# Altium PCB TC264MCU_V4.PcbDoc (continued)
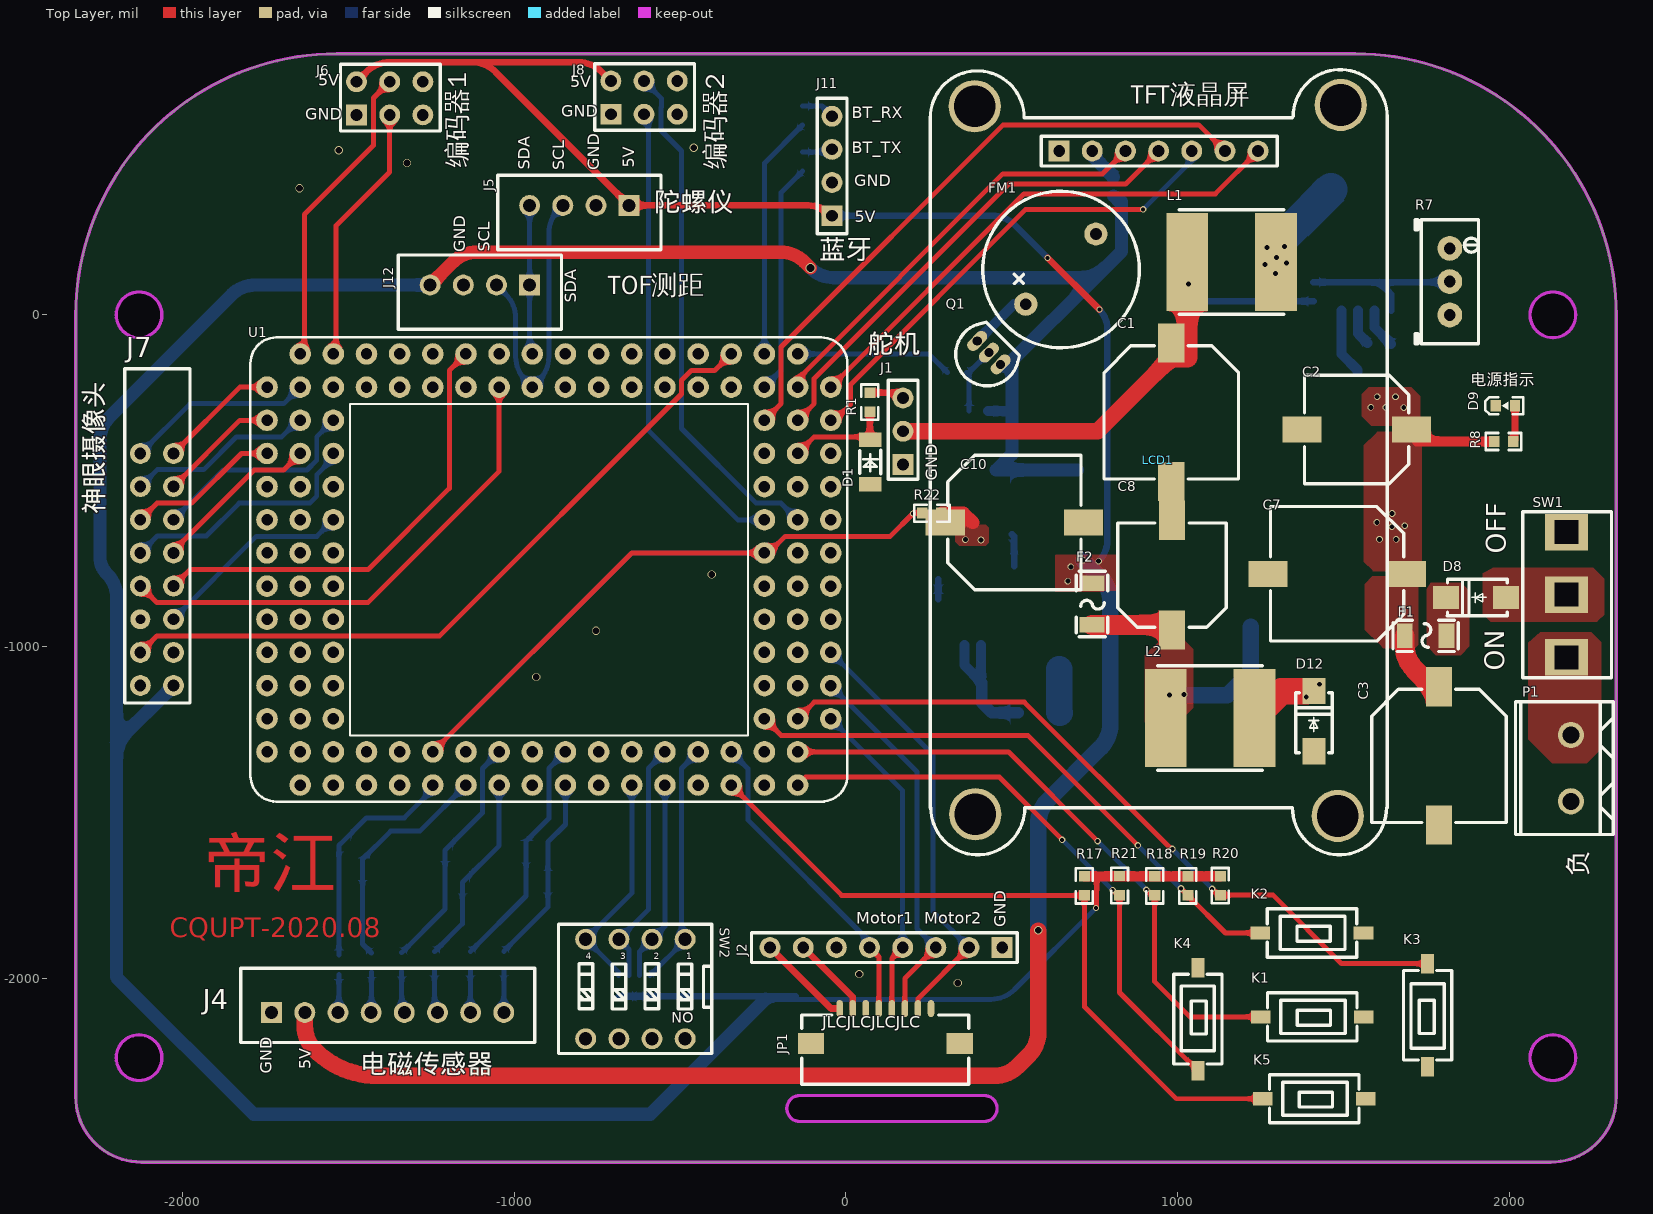
[diagram p0: Top Layer view]
## Footprints (in the part's own frame and the unit in brackets; to place one, negate y for a bottom-side part, rotate by r counter-clockwise, add the part's x,y. Pads: shape width x height; smd on the part's side, far side on the other; paste and mask are expansions set on the pad) (continued)
  round 1.65 hole 0.88 mask+0.102: 29(40.64,5.08) 32(40.64,7.62) 35(40.64,10.16) 38(40.64,12.7) 41(40.64,15.24) 44(40.64,17.78) 47(40.64,20.32) 50(40.64,22.86) 53(40.64,25.4) 56(40.64,27.94) 59(40.64,30.48) 92(-2.54,30.48) 95(-2.54,27.94) 98(-2.54,25.4) 101(-2.54,22.86) 104(-2.54,20.32) 107(-2.54,17.78) 110(-2.54,15.24) 113(-2.54,12.7) 116(-2.54,10.16) 119(-2.54,7.62) 122(-2.54,5.08) 125(-2.54,2.54)
  silkscreen extent -3.81,-1.27 41.91,34.29
RES-ARRAY-SMD_0603-8P-L3.2-W1.6-BL [mm]
  rect 0.65x0.8 smd: 1(-1.2,-0.8) 4(1.2,-0.8) 5(1.2,0.8) 8(-1.2,0.8)
  rect 0.5x0.8 smd: 2(-0.4,-0.8) 3(0.4,-0.8) 6(0.4,0.8) 7(-0.4,0.8)
  silkscreen extent -1.87,-1.45 1.87,1.47
RES_0603#1 [mm]
  rect 0.8x0.85 smd: 1(-0.73,0) 2(0.73,0)
  silkscreen extent -1.35,-0.65 1.35,0.65, body extent -0.8,-0.4 0.8,0.4, height 0.38
RES_0603#2 [mm]
  rect 0.8x0.85 smd far side: 1(-0.73,0) 2(0.73,0)
  body extent -0.8,-0.4 0.8,0.4, height 0.38
RES_POT-3296W [mm] "RES-ADJ-TH_3P-L9.5-W4.9-P2.50-L_3296W"
  round 1.9 hole 0.9: 1(-2.55,0) 2(-0.01,0) 3(2.55,0)
  silkscreen extent -4.75,-2.64 4.75,2.2, body extent -4.75,-2.59 4.75,2.41, height 11.5
SOIC-8_150MIL [mm]
  oval 2.2x0.7 smd: 1(-3.023,1.905) 2(-3.023,0.635) 3(-3.023,-0.635) 4(-3.023,-1.905) 5(3.023,-1.905) 6(3.023,-0.635) 7(3.023,0.635) 8(3.023,1.905)
  silkscreen extent -2.37,-2.41 1.55,2.83, body extent -3.03,-2.56 3.03,2.56, height 1.95
SOT-223_3 [mm]
  rect 2x1 smd: 1(3.1,-2.3) 2(3.1,0) 3(3.1,2.3)
  rect 2.2x3.5 smd: 4(-3.1,0)
  silkscreen extent -1.5,-3 1.5,3, body extent -3.5,-3.25 3.5,3.25, height 1.64
SW-TH_K3-1260D-K1 [mm]
  rect 3.3x2.8 hole 1.8 square: 1(0,4.8) 2(0,0) 3(0,-4.8)
  silkscreen extent -3.35,-6.35 3.44,6.35
SW_SMD_6.1*3.7 [mm] "SW-SMD_L6.1-W3.7-LS7.9"
  rect 1.5x1 smd: A(-3.95,0) B(3.95,0)
  silkscreen extent -3.43,-1.85 3.43,1.85, body extent -4,-1.8 4,1.9, height 2.6
TFT_LCD [mm]
  round 4 hole 3.2: 0(-14.097,27.33) 0(-14.046,-26.899) 0(13.716,-27.026) 0(13.945,27.432)
  rect 1.6x1.6 hole 0.9: 1(-7.626,23.901)
  round 1.6 hole 0.9: 2(-5.086,23.901) 3(-2.546,23.901) 4(-0.006,23.901) 5(2.534,23.901) 6(5.074,23.901) 7(7.614,23.901)
  silkscreen extent -17.5,-30 17.5,30.14, body extent -9.02,22.64 9.01,25.14, height 8.6
TO-263_5 [mm]
  rect 4x1.2 smd: 1(-8.5,3.4) 2(-8.5,1.7) 3(-8.5,0) 4(-8.5,-1.7) 5(-8.5,-3.4)
  rect 10x10 smd: 6(1.6,0)
  silkscreen extent -4.41,-5 -4.03,5, body extent -9.4,-5 6.27,5, height 4.78
TO_92A [mm]
  oval 0.9x1.8 hole 0.7: 1(-1.27,0) 2(0,0) 3(1.27,0)
  silkscreen extent -2.41,-1.5 2.41,2.6, body extent -2.42,-1.49 2.38,2.44, height 7
VDG/S-04HG-R [mm]
  round 1.6 hole 1: 1(-3.81,-3.81) 2(-1.27,-3.81) 3(1.27,-3.81) 4(3.81,-3.81) 5(3.81,3.81) 6(1.27,3.81) 7(-1.27,3.81) 8(-3.81,3.81)
  silkscreen extent -5.84,-4.96 5.89,4.95, body extent -5.48,-4.82 5.68,5.08, height 7
XH_2.54_4P [mm]
  rect 1.6x1.6 hole 1: 1(-3.81,0)
  round 1.6 hole 1: 2(-1.27,0) 3(1.27,0) 4(3.81,0)
  silkscreen extent -6.25,-2.3 6.25,3.4, body extent -6.25,-2.3 6.25,3.4, height 7
XH_2.54_8P [mm]
  rect 1.6x1.6 hole 1: 1(-8.89,0)
  round 1.6 hole 1: 2(-6.35,0) 3(-3.81,0) 4(-1.27,0) 5(1.27,0) 6(3.81,0) 7(6.35,0) 8(8.89,0)
  silkscreen extent -11.25,-2.3 11.25,3.4, body extent -11.31,-2.3 11.29,3.4, height 7

## Part data
C1 C2 C3 C7 C8 C10: library part CAP_E_SMD, "贴片电解电容"
C4 C5 C6 C9 C11: library part CAP_0603
D8 D10 D11 D12: library part SS54
D9: library part LED_0603, "发光LED"
F1: library part JK-NSMD100-16V
FM1: "蜂鸣器"
J1: library part "Header 2.54_3"
J2 J4: library part "Header 2.54_8"
J5 J11 J12: library part "Header 2.54_4"
J6 J8: library part "Header 2.54_2X3"
J7: library part "Header 2.54_2X10"
K1 K2 K3 K4 K5: "贴片按键 3*6*2.5"
L1 L2: library part Inductor
LCD1: library part TFT-LCD
P1: "端子2P"
Q1: "三极管PNP"
R1 R2 R3 R3_1 R3_2 R4 R4_1 R4_2 R5 R6 R8 R9 R10 R11 R15 R16 R17 R18 R19 R20 R21 R22 R23 R24: library part RES_0603
R7: library part RES_POT-3296W, "可调电阻3296W"
SW2: "DIP_4PX2*2.54"

## Free pads (board coordinates)
  round 60 hole 30: 2(-2128,-918)

## Via types
v1: diameter 20, hole 15, Top Layer to Bottom Layer, tented both sides, 28 vias
v2: diameter 25, hole 20, Top Layer to Bottom Layer, tented both sides, 10 vias
v3: diameter 20, hole 12, Top Layer to Bottom Layer, tented both sides, 9 vias
v4: diameter 18, hole 12, Top Layer to Bottom Layer, tented both sides, 4 vias
v5: diameter 30, hole 25, Top Layer to Bottom Layer, tented both sides, 1 vias

## Nets (pads, with @x,y where several pads share a name; then routed paths per layer and width w, separated by ;. In a path a pad name is that pad's centre, name@x,y a point inside that pad or via, vN(x,y) a via of type N, cw(c..) or ccw(c..) an arc to the next point about the centre after c; other vN are vias at no path point)
7.2V: C2.1 C3.1 C6.1 C7.1 F1.2 R8.2 R10.1 R11.1 U2.4 U4.1 | length 608.2
  Top Layer w15: C2.1@1665.98,-350.98 C2.1@1665.98,-346
  Top Layer w30: C2.1@1722,-382 R8.2
  Top Layer w60: F1.2 1685.01,-997.92 ccw(c1785.01,-997.92) 1714.3,-1068.63 C3.1@1754,-1108.34
  Bottom Layer w30: U2.4 1494,-118 1543,-167 1543,-173
  other v1: 1609,-677 1659,-677 1646,-639 1685,-636 1601,-626 1647,-599 1682,-280 1583,-279 1628,-279 1602,-247 1657,-247
ADC_BAT: U1.12
ADC_IN1: D2.1 R3_1.1 U1.9 | length 583
  Bottom Layer w15: R3_1.1 -1157.07,-1836.33 D2.1 -1046,-1600.93 U1.9
ADC_IN2: D3.1 R4_1.1 U1.10 | length 727
  Bottom Layer w15: R4_1.1 -1209.07,-1792.33 D3.1 -1095.98,-1501.91 -1095.98,-1367.98 U1.10
ADC_IN3: D4.1 R3_2.1 U1.7 | length 698.2
  Bottom Layer w15: R3_2.1 -1458,-1897.26 D4.1 -1458,-1642 -1373,-1557 -1285,-1557 U1.7
ADC_IN4: D5.1 R4_2.1 U1.5 | length 720.3
  Bottom Layer w15: R4_2.1 -1529,-1599.93 D5.1 -1446.07,-1517 -1332,-1517 -1246,-1431 U1.5 U1.5@-1269,-1418
ADC_MOTOR1: D6.1 R3.1 U1.13 | length 578.6
  Bottom Layer w15: R3.1 -898.93,-1786.45 D6.1 -898.93,-1589.93 -846,-1537 U1.13
ADC_MOTOR1_IN: 
ADC_MOTOR2: D7.1 R4.1 U1.14 | length 721.4
  Bottom Layer w15: R4.1 -964.93,-1752.45 D7.1 -964.93,-1587.93 -896.02,-1519.02 -896.02,-1368.02 U1.14
ADC_MOTOR2_IN: 
AN21: U1.2
BT_RX: R5.1 U1.63 | length 737.9
  Bottom Layer w15: U1.63 -246,457.26 R5.1
BT_TX: R6.1 U1.61 | length 698.9
  Bottom Layer w15: U1.61 -196.02,-168.02 -196.02,368.24 R6.1
BUZZ: R16.1 U1.62 | length 475.2
  Bottom Layer w15: U1.62 250,-118 R16.1
CSI_DAT2: J7.18 U1.92 | length 364.8
  Top Layer w15: J7.18 -1828,-218 U1.92
CSI_DAT3: J7.3 U1.91 | length 564.8
  Bottom Layer w15: J7.3 -1977.98,-267.98 -1695.98,-267.98 U1.91
CSI_DAT4: J7.17 U1.95 | length 364.8
  Top Layer w15: J7.17 -1828,-318 U1.95
CSI_DAT5: J7.4 U1.94 | length 564.8
  Bottom Layer w15: J7.4 -2077,-467 -1937,-467 -1837.98,-367.98 -1701.98,-367.98 -1652,-318 U1.94
CSI_DAT6: J7.16 U1.93 | length 647.7
  Bottom Layer w15: J7.16 -1878.02,-468.02 -1706,-468.02 -1705.96,-467.98 -1625.3,-467.98 -1596.02,-438.7 -1596.02,-368.02 U1.93
CSI_DAT7: J7.5 U1.98 | length 464.8
  Top Layer w15: J7.5 -2078,-568 -1973,-568 -1823,-418 U1.98
CSI_DAT8: J7.15 U1.97 | length 510.4
  Top Layer w15: J7.15 -2028,-711 -1784.98,-467.98 -1695.98,-467.98 U1.97
CSI_DAT9: J7.6 U1.96 | length 752.5
  Bottom Layer w15: J7.6 -2077,-667 -1929,-667 -1830.02,-568.02 -1617.02,-568.02 -1596,-547 -1596,-482 -1546,-432 U1.96
CSI_HSYNC: J7.8
CSI_PIX: J7.13 U1.102 | length 606.3
  Bottom Layer w15: J7.13 -1777.98,-667.98 -1595.98,-667.98 U1.102
CSI_PIX2: U1.105
CSI_VSYNC: J7.9 U1.64 | length 2179
  Top Layer w15: J7.9 -2078.02,-968.02 -1225.34,-968.02 -495.98,-238.66 -495.98,-197.3 -466.7,-168.02 -396.02,-168.02 U1.64
CSI_VSYNC1: U1.110
DC_POWERIN: P1.2 SW1.3
ENCODE1_DIR: J6.5 U1.89 | length 932.8
  Top Layer w15: U1.89 -1633,-105 -1633,303 -1425,511 -1425,654 J6.5
ENCODE1_LSB: J6.2 U1.88 | length 791.4
  Top Layer w15: U1.88 -1538,-110 -1538,269 -1376,431 J6.2
ENCODE2_DIR: J8.5 U1.48 | length 1560
  Bottom Layer w15: J8.5 -557,653 -557,627.29 -556.5,626.79 -558,625.29 -558,556 -496.02,494.02 -496.02,-342.98 -271.02,-567.98 -196.02,-567.98 U1.48
ENCODE2_LSB: J8.2 U1.49 | length 1427.8
  Bottom Layer w15: J8.2 -596.02,605 -596.02,-347.98 -326,-618 U1.49
GND: C1.2 C2.2 C3.2 C4.2 C5.2 C6.2 C7.2 C8.2 C9.1 C10.2 D1.2 D2.2 D3.2 D4.2 D5.2 D6.2 D7.2 D9.C D10.1 D12.1 FM1.2 J1.1 J2.1 J4.1 J5.2 J6.1 J7.10 J7.12 J8.1 J11.2 J12.3 JP1.8 K1.A K2.A K3.A K4.A K5.A LCD1.1 P1.1 R7.1 R24.1 SW2.5 SW2.6 SW2.7 SW2.8 U1.40 U1.43 U2.7 U2.8 U3.1 U4.3 U4.5 U4.6 U5.1 U5.2
  other v2: 337,-2015 40,-1988 -934,-1092 -754,-953 -405,-783 -1648,382 -1324,458 -1530,496 -459,504
IIC_SCL: J5.3 J12.2 U1.77 | length 921.6
  Bottom Layer w15: J12.2 -1025.29,61.29 cw(c-1096,-9.42) -996,-9.42 -996,-126.58 ccw(c-896,-126.58) -966.71,-197.29 U1.77 -925.31,-197.31 ccw(c-996.02,-126.6) -896.02,-126.6 -896.02,246.56 cw(c-796.02,246.56) -866.73,317.27 J5.3
IIC_SDA: J5.4 J12.1 U1.76 | length 450.1
  Bottom Layer w15: J5.4 J12.1 -954,-98.69 ccw(c-926.69,-98.69) U1.76
KEY1: K1.B R18.1 U1.28 | length 1879.9
  Top Layer w15: U1.28 490,-1318 v3(759,-1587) ; v3(906,-1734) 922.74,-1750.74 R18.1 931,-2011 1037,-2117 K1.B
  Bottom Layer w15: v3(759,-1587) v3(906,-1734)
KEY2: K2.B R19.1 U1.31 | length 1763.3
  Top Layer w15: U1.31 -196.02,-1267.98 548.24,-1267.98 v3(880.26,-1600) ; v3@1010,-1730 v3(1010.26,-1730) R19.1 1144.26,-1864 K2.B
  Bottom Layer w15: v3(880.26,-1600) v3(1010.26,-1730)
KEY3: K3.B R20.1 U1.30 | length 2247.3
  Top Layer w15: U1.30 -96,-1168 538,-1168 981,-1611 v3(984,-1611) ; v3(1104,-1731) 1123,-1750 R20.1 1288,-1750 1494.49,-1956.49 K3.B
  Bottom Layer w15: v3(984,-1611) v3(1104,-1731)
KEY4: K4.B R21.1 U1.27 | length 1755.8
  Top Layer w15: U1.27 -122,-1394 463,-1394 v3(652,-1583) ; v3(804,-1735) 818.74,-1749.74 R21.1 825,-2043.51 K4.B
  Bottom Layer w15: v3(652,-1583) v3(804,-1735)
KEY5: K5.B R17.1 U1.23 | length 2191.3
  Top Layer w15: U1.23 -13.26,-1750.74 R17.1 719,-2087 996,-2364 K5.B
NetC8_1: C8.1 F2.1 L2.1 U4.4 | length 657.9
  Top Layer w60: F2.1 967.65,-935 C8.1
  Bottom Layer w50: v1(975,-1147) 1150,-1147 1221.21,-1075.79 U4.4
  other v1: 1020,-1145
NetC9_2: C9.2 F3.1 U5.3 U5.4 | length 428.1
  Bottom Layer w20: C9.2@407,-1106.74 C9.2
  Bottom Layer w30: U5.4 357,-1056.74 407,-1106.74 U5.3
  Bottom Layer w35: C9.2 409.26,-1169.26 440,-1200 F3.1
NetC10_1: C10.1 C11.1 R22.1 R23.2 U5.5 U5.6 U5.7 | length 105.9
  Top Layer w40: R22.1 354.03,-598 382.03,-626
  other v1: 407,-679 360,-678
NetC11_2: C11.2 R24.2 | length 59.5
  Bottom Layer w20: R24.2 C11.2
NetD8_1: D8.1 SW1.2
NetD8_2: D8.2 F1.1
NetD9_A: D9.A R8.1 | length 110.4
  Top Layer w20: R8.1 2017.48,-376.26 D9.A
NetD10_2: D10.2 L1.1 U2.5 U2.6 | length 304.6
  Bottom Layer w100: 1295,143 1295,152 1295,210 D10.2
  other v1: 1295,125 1264,152 1329,156 1298,173 1270,203 1323,206
NetD11_1: D11.1 F3.2 | length 131.8
  Bottom Layer w80: D11.1 643,-1198.01 F3.2
NetD12_2: D12.2 L2.2 U4.2 | length 189.7
  Top Layer w80: L2.2 1312.96,-1134.9 D12.2@1388,-1134.9
  other v1: 1388,-1153 1428,-1114
NetFM1_1: FM1.1 Q1.3 | length 192.5
  Bottom Layer w30: Q1.3 506.51,32.22 FM1.1
NetJ1_3: J1.3 R1.2 | length 117.8
  Top Layer w20: R1.2 166.52,-234.52 J1.3@183,-251
NetJ4_3: J4.3 R4_2.2 | length 116.5
  Bottom Layer w15: J4.3 -1529,-2101 R4_2.2
NetJ4_4: J4.4 R3_2.2 | length 122.7
  Bottom Layer w15: J4.4 -1431,-2103 R3_2.2
NetJ4_5: J4.5 R4_1.2 | length 126.6
  Bottom Layer w15: R4_1.2 -1340,-2096 J4.5
NetJ4_6: J4.6 R3_1.2 | length 130
  Bottom Layer w15: R3_1.2 -1241,-2095 J4.6
NetJ4_7: J4.7 R4.2 | length 126.4
  Bottom Layer w15: R4.2 -1133,-2103 J4.7
NetJ4_8: J4.8 R3.2 | length 127
  Bottom Layer w15: J4.8 R3.2
NetJ11_3: J11.3 R6.2 | length 92.4
  Bottom Layer w15: R6.2 -50.26,490.74 J11.3
NetJ11_4: J11.4 R5.2 | length 101.7
  Bottom Layer w15: R5.2 -72.74,629.74 J11.4
NetLCD1_2: LCD1.2 R2.2 | length 104.6
  Bottom Layer w40: LCD1.2 742.75,480.25 R2.2
NetQ1_2: Q1.2 R15.2 R16.2 | length 211.6
  Bottom Layer w15: R15.2 371.26,-181.78 R16.2 371,-174 Q1.2
NetR7_2: R7.2 R9.2 U2.1 | length 512.4
  Bottom Layer w20: R9.2 1607.52,98.48 ; U2.1 1644,62 1607.52,98.48 ; R7.2 1819.09,98.48 1607.52,98.48
NetR10_2: R10.2 U2.2 | length 120.8
  Bottom Layer w30: U2.2 1594,-38.52 R10.2
NetR11_2: R11.2 U2.3 | length 110.5
  Bottom Layer w30: U2.3 1544,-56.52 R11.2
NetR12_2: 
NetR23_1: R23.1 U5.8 | length 98.6
  Bottom Layer w20: R23.1 507,-668.26 U5.8
P00.2: U1.104
P00.3: U1.103
P00.5: U1.107
P00.6: U1.106
P00.9: U1.109
P02.8: U1.101
P10.2: U1.86
P11.2: J7.7 U1.79 | length 1520.8
  Top Layer w15: J7.7 -2077.98,-868.02 -1442.02,-868.02 -1046,-472 U1.79
P11.3: J7.14 U1.80 | length 1379.9
  Top Layer w15: J7.14 -1977.98,-767.98 -1440.98,-767.98 -1196.02,-523.02 -1196.02,-168.02 U1.80
P11.6: U1.82
P11.9: U1.81
P11.10: U1.84
P11.11: U1.85
P11.12: U1.83
PWM_MOTOR1+: J2.5 JP1.4 U1.24 | length 958.3
  Top Layer w15: J2.5 98.89,-1935.89 JP1.4
  Bottom Layer w15: U1.24 -296,-1368 -296,-1523 71,-1890 J2.5
PWM_MOTOR1-: J2.4 JP1.5 U1.29 | length 977.4
  Top Layer w15: JP1.5 138.26,-1940.74 J2.4
  Bottom Layer w15: U1.29 171,-1435 J2.4
PWM_MOTOR2+: J2.3 JP1.6 U1.32 | length 1144
  Top Layer w15: JP1.6 177.63,-2001.37 J2.3
  Bottom Layer w15: U1.32 214,-1378 214,-1851 J2.3
PWM_MOTOR2-: J2.2 JP1.7 U1.35 | length 1310.5
  Top Layer w15: JP1.7 217,-2062 J2.2
  Bottom Layer w15: U1.35 262,-1326 262,-1799 J2.2
PWM_SERVOMOTOR: D1.1 R1.1 U1.54 | length 326.1
  Top Layer w15: U1.54 -96,-368 63.93,-368 D1.1@72,-376.07
  Top Layer w20: D1.1@72,-376.07 R1.1
SW1: RN2.4 SW2.1 U1.22 | length 743.2
  Bottom Layer w15: RN2.4 -485,-1885.99 -496,-1874.99 -496,-1368 U1.22
SW2: RN2.3 SW2.2 U1.19 | length 605.7
  Bottom Layer w15: RN2.3 -622.5,-1920.5 SW2.2 -546,-1844 U1.19
SW3: RN2.2 SW2.3 U1.20 | length 744.4
  Bottom Layer w15: RN2.2 -654,-1914 SW2.3 -596,-1794 -596,-1368 U1.20
SW4: RN2.1 SW2.4 U1.17 | length 672.8
  Bottom Layer w15: RN2.1 -685.49,-1982.51 SW2.4 -646,-1744 U1.17
TFT_CS: LCD1.3 U1.60 | length 1297.7
  Top Layer w15: U1.60 -146,-194 473,425 773.75,425 LCD1.3
TFT_D/C: LCD1.6 U1.58 | length 1890.7
  Top Layer w15: U1.58 -196.02,-268.02 -196.02,-96.98 473.96,573 1063.75,573 LCD1.6
TFT_RST: LCD1.7 U1.59 | length 1583.7
  Top Layer w15: U1.59 537,365 1113.75,365 LCD1.7
TFT_SCK: LCD1.4 U1.57 | length 1469.6
  Top Layer w15: U1.57 -95.98,-267.98 -95.98,-191.98 490,394 842.75,394 LCD1.4
TFT_SDI: LCD1.5 U1.56 | length 1477.4
  Top Layer w15: U1.56 -34,-318 14,-270 14,-210 542,318 v3(896,318)
  Bottom Layer w15: v3(896,318) 1042.75,464.75 LCD1.5
TOF_RXD: U1.100
TOF_TXD: U1.99
VCC3.3_MCU: R22.2 U1.6 U1.46 | length 3520.3
  Top Layer w15: U1.6 -646,-718 U1.46 -233,-718 -182.98,-667.98 133.02,-667.98 v4(202,-599) 203,-598 R22.2
  Bottom Layer w15: U1.6 -646,-718 U1.46 -233,-718 -183.02,-668.02 132.98,-668.02 v4(202,-599)
VCC_3.3V: C5.1 J7.11 J12.4 Q1.1 R2.1 R15.1 R17.2 R18.2 R19.2 R20.2 R21.2 RN2.5 RN2.6 RN2.7 RN2.8 U3.2 U3.4 | length 10926.5
  Top Layer w15: v4(754.5,-1788.5) ccw(c750.88,-1784.88) 756,-1784.88 756,-1693.26
  Top Layer w30: R17.2 756,-1693.26 R18.2 R19.2 1128.26,-1693.26 R20.2
  Top Layer w40: J12.4 -1184.29,159.71 cw(c-1113.58,89) -1113.58,189 -196.42,189 cw(c-196.42,89) -125.71,159.71 v5(-107,141)
  Bottom Layer w15: -243,-2064 437.58,-2064 ccw(c437.58,-1964) 508.29,-2034.71 v4(754.5,-1788.5)
  Bottom Layer w20: RN2.8 -151.71,-2055 ; Q1.1 500.26,-183.26 ; 831,259 831,267
  Bottom Layer w30: R15.1 498.26,-290 C5.1
  Bottom Layer w40: J7.11 -2200,-1290 ; J12.4 -1781.58,90 ccw(c-1781.58,-10) -1852.29,60.71 -2220.71,-307.71 ccw(c-2150,-378.42) -2250,-378.42 -2250,-728.89 ccw(c-2174.89,-728.89) -2228,-782 cw(c-2296.8,-850.8) -2202.62,-826.38 cw(c-2296.8,-850.8) -2200,-840.98 -2200,-1290 ; -243,-2064 -590,-2411 -1786,-2411 -2200,-1997 -2200,-1290 ; v5(-107,141) ccw(c-36.99,211.01) -36.99,112 751,112 ; U3.2 U3.4 500.26,-420.69 C5.1 500.26,-183.26 500.26,-138.74 751,112 ; R2.1 824.52,341 831,341 831,267 ; 831,259 831,192 751,112
VCC_5V: C4.1 D11.2 F2.2 J4.2 J5.1 J6.6 J8.6 J11.1 U3.3 | length 7694.8
  Top Layer w20: J6.6 -1446.29,732.71 cw(c-1375.58,662) -1375.58,762 -1127.42,762 ; J8.6 -736.71,732.71 ccw(c-807.42,662) -807.42,762 -1127.42,762 ; J11.1 -43.71,300.71 ccw(c-114.42,230) -114.42,330 J5.1 -1056.71,732.71 ccw(c-1127.42,662) -1127.42,762 ; v4(608,172) v4(764,16)
  Top Layer w50: J4.2 -1632,-2145.58 ccw(c-1532,-2145.58) -1602.71,-2216.29 ccw(c-1412.69,-2026.27) -1412.69,-2295 447.58,-2295 ccw(c447.58,-2195) 518.29,-2265.71 550.71,-2233.29 ccw(c480,-2162.58) 580,-2162.58 v2@580,-1857
  Bottom Layer w20: J11.1 439.58,299 cw(c439.58,199) 510.29,269.71 v4(608,172) ; v1(762,-743) ccw(c699.23,-680.23) 788,-680.23 788,-41.94 ccw(c706.06,-41.94) v4(764,16) v4@765.58,16
  Bottom Layer w50: v2(580,-1856) 580,-1534.42 cw(c680,-1534.42) 609.29,-1463.71 767.71,-1305.29 ccw(c697,-1234.58) 797,-1234.58 797,-863.42 ccw(c697,-863.42) 767.71,-792.71 v1(715,-740)
  other v1: 669,-803 678,-760
VCC_SERVOMOTOR: C1.1 J1.2 L1.2 R9.1 | length 1624.8
  Top Layer w50: J1.2@183,-351 758.65,-351 C1.1@981,-128.65
  Top Layer w60: C1.1@981,-128.65 1029.35,-128.65 1029.35,158.65 L1.2
  Bottom Layer w20: v1(1033,93) 1085,41 R9.1
pads on no net: J2.6 J2.7 J2.8 J6.3 J6.4 J7.1 J7.2 J7.19 J7.20 J8.3 J8.4 JP1.1 JP1.2 JP1.3 JP1.9 JP1.10 LCD1.0 R7.3 SW1.1 U1.1 U1.3 U1.4 U1.8 U1.11 U1.15 U1.16 U1.18 U1.21 U1.25 U1.26 U1.33 U1.34 U1.36 U1.37 U1.38 U1.39 U1.41 U1.42 U1.44 U1.45 U1.47 U1.50 U1.51 U1.52 U1.53 U1.55 U1.65 U1.66 U1.67 U1.68 U1.69 U1.70 U1.71 U1.72 U1.73 U1.74 U1.75 U1.78 U1.87 U1.90 U1.108 U1.111 U1.112 U1.113 U1.114 U1.115 U1.116 U1.117 U1.118 U1.119 U1.120 U1.121 U1.122 U1.123 U1.124 U1.125 U1.126 U1.127
copper on no net: | length 542
  Top Layer w20: -229,-1908 -45,-2092 -19.22,-2092 ; -129,-1908 20.15,-2057.15 20.15,-2092
  Bottom Layer w20: -236.26,-1900.74 -229,-1908

## Polygon pours and split planes (outlines as drawn)
NetC10_1 on Top Layer "Top Layer-No Net" (solid, remove dead copper, pour order 34): 340,-633 422,-633 423,-634 431,-642 431,-680 431,-687 422,-696 348,-696 341,-696 332,-687 329,-684 329,-645 329,-643 342,-630
NetC8_1 on Top Layer "Top Layer-No Net" (solid, remove dead copper, pour order 28): 1023,-979 1023,-985 1041,-1003 1047,-1009 1047,-1133 1047,-1185 992,-1240 987,-1245 937,-1245 918,-1245 913,-1240 901,-1228 901,-1066 901,-1027 943,-985 947,-981 973,-981
7.2V on Top Layer "Top Layer-No Net" (solid, remove dead copper, pour order 26): 1692,-335 1694,-333 1719,-333 1720,-333 1729,-324 1732,-321 1732,-250 1732,-246 1707,-221 1705,-219 1605,-219 1576,-219 1564,-231 1555,-240 1555,-271 1555,-306 1582,-333 1584,-335 1629,-335
7.2V on Top Layer "Top Layer-No Net" (solid, remove dead copper, pour order 24): 1588,-773 1588,-770 1562,-744 1561,-743 1561,-687 1561,-394 1597,-358 1602,-353 1711,-353 1721,-353 1734,-366 1737,-369 1737,-408 1737,-741 1704,-774
7.2V on Top Layer "Top Layer-No Net" (solid, remove dead copper, pour order 22): 1587,-789 1564,-812 1564,-868 1564,-949 1609,-994 1620,-1005 1710,-1005 1715,-1005 1722,-998 1725,-995 1725,-789
VCC_5V on Top Layer "Top Layer-No Net" (solid, remove dead copper, pour order 18): 780,-832 777,-835 631,-835 631,-725 629,-723 713,-723 819,-723 820,-722 820,-832
DC_POWERIN on Top Layer "Top Layer-No Net" (solid, remove dead copper, pour order 6): 2094,-957 2248,-957 2254,-963 2278,-987 2278,-1024 2278,-1308 2258,-1328 2234,-1352 2183,-1352 2130,-1352 2077,-1299 2058,-1280 2058,-989
NetD8_2 on Top Layer "Top Layer-No Net" (solid, remove dead copper, pour order 4): 1764,-808 1855,-808 1866,-819 1880,-833 1880,-988 1880,-1000 1857,-1023 1854,-1026 1784,-1026 1779,-1026 1759,-1006 1752,-999 1752,-828
NetD8_1 on Top Layer "Top Layer-No Net" (solid, remove dead copper, pour order 2): 1949,-764 1950,-763 2076,-763 2253,-763 2282,-792 2286,-796 2286,-838 2286,-904 2267,-923 2265,-925 2172,-925 1944,-925 1922,-903 1920,-901 1920,-780
NetC10_1 on Bottom Layer "Top Layer-No Net" (solid, remove dead copper, pour order 32): 294,-757 456,-757 457,-758 470,-745 470,-670 470,-660 461,-651 460,-650 390,-650 342,-650 339,-653 304,-688 288,-688 278,-688 259,-707 258,-708 258,-757
VCC_5V on Bottom Layer "Top Layer-No Net" (solid, remove dead copper, pour order 20): 654,-535 654,-666 655,-667 654,-668 654,-738 654,-739 630,-763 605,-788 605,-849 605,-927 609,-931 610,-932 671,-932 672,-932 709,-895 792,-812 792,-672 792,-631 792,-587 739,-534
NetD10_2 on Bottom Layer "Top Layer-No Net" (solid, remove dead copper, pour order 16): 1543,206 1485,206 1455,206 1430,231 1421,240 1421,347 1421,412 1423,414 1425,416 1504,416 1505,416 1530,391 1561,360 1561,255 1561,216 1562,215
7.2V on Bottom Layer "Top Layer-No Net" (solid, remove dead copper, pour order 14): 1554,-124 1691,-124 1715,-148 1731,-164 1731,-302 1553,-302 1512,-261 1512,-126
7.2V on Bottom Layer "Top Layer-No Net" (solid, remove dead copper, pour order 12): 1556,-663 1557,-663 1574,-646 1578,-642 1578,-608 1578,-602 1607,-573 1616,-564 1712,-564 1712,-566 1718,-572 1722,-576 1722,-686 1722,-692 1680,-734 1552,-862 1552,-947 1552,-962 1489,-1025 1487,-1023 1417,-1023 1397,-1023 1396,-1022 1396,-860 1396,-841 1432,-805 1436,-809 1481,-809 1481,-805 1514,-772 1521,-765 1521,-664
NetD12_2 on Bottom Layer "Top Layer-No Net" (solid, remove dead copper, pour order 10): 1330,-862 1379,-862 1380,-863 1382,-865 1382,-1023 1382,-1034 1411,-1063 1445,-1097 1445,-1170 1370,-1170 1368,-1168 1329,-1129 1329,-1021

## Keep-outs
Keep-Out Layer:
  circle w10: c-2131.89,-2240.16 r68.9
  circle w10: c2131.89,0 r68.9
  circle w10: c-2131.89,0 r68.9
  circle w10: c2131.89,-2240.16 r68.9
  lines w10: -2125.98,-2555.12 2126,-2555.12 ccw(c2126,-2358.27) 2322.85,-2358.27 2322.83,0 ccw(c1535.43,0) 1535.43,787.4 -1535.43,787.4 ccw(c-1535.43,0) -2322.83,0 -2322.83,-2358 ccw(c-2125.98,-2358) -2125.98,-2554.85 ; -139,-2432.74 cw(c-139,-2393.37) -139,-2354 416.37,-2354 cw(c416.37,-2393.37) 416.37,-2432.74 -139,-2432.74

## Other copper
Top Layer:
  text "帝江" at -1937,-1771 h250
  text "CQUPT-2020.08" at -2040,-1896 h100

## Silkscreen, mask and mechanical layers (free items; w line width, h text height)
Top Overlay:
  text "5V" at -1591,679 h60
  text "5V" at -831,674 h60
  text "TFT液晶屏" at 858,617 h100
  text "GND" at -859,586 h60
  text "BT_RX" at 18,581 h60
  text "GND" at -1631,577 h60
  text "BT_TX" at 18,475 h60
  text "编码器1" at -1125,443 h100 r90
  text "5V" at -626,443 h60 r90
  text "编码器2" at -348,439 h100 r90
  text "SDA" at -942,437 h60 r90
  text "SCL" at -837,436 h60 r90
  text "GND" at -732,436 h60 r90
  text "GND" at 25,376 h60
  text "陀螺仪" at -578,293 h100
  text "5V" at 26,267 h60
  text "SCL" at -1063,190 h60 r90
  text "GND" at -1136,189 h60 r90
  text "蓝牙" at -81,150 h100
  text "TOF测距" at -718,42 h100
  text "SDA" at -802,37 h60 r90
  text "舵机" at 65,-135 h100
  text "电源指示" at 1884,-224 h60
  text "GND" at 287,-500 h60 r90
  text "神眼摄像头" at -2220,-602 h100 r90
  text "OFF" at 2009,-721 h100 r90
  text "ON" at 2005,-1073 h100 r90
  text "负" at 2255,-1695 h100 r90
  text "GND" at 494,-1847 h60 r90
  text "Motor1" at 31,-1848 h60
  text "Motor2" at 236,-1848 h60
  text "JLCJLCJLCJLC" at -72,-2162 h60
  text "5V" at -1602,-2275 h60 r90
  text "GND" at -1719,-2289 h60 r90
  text "电磁传感器" at -1464,-2307 h100
Top Paste:
  text "帝江" at -1937,-1771 h250
  text "CQUPT-2020.08" at -2040,-1896 h100
Top Solder:
  text "帝江" at -1937,-1771 h250
  text "CQUPT-2020.08" at -2040,-1896 h100

## Text inside footprints (layer, text, board x,y; h text height)
SW2: Top Overlay "4" at -785,-1943 h19.68; Top Overlay "3" at -680.1,-1943.34 h19.68; Top Overlay "2" at -579,-1943.84 h19.68; Top Overlay "1" at -481.2,-1943.64 h19.68; Top Overlay "ON" at -459,-2103.25 h31.5 r180